# KiCad board panel.kicad_pcb (continued)
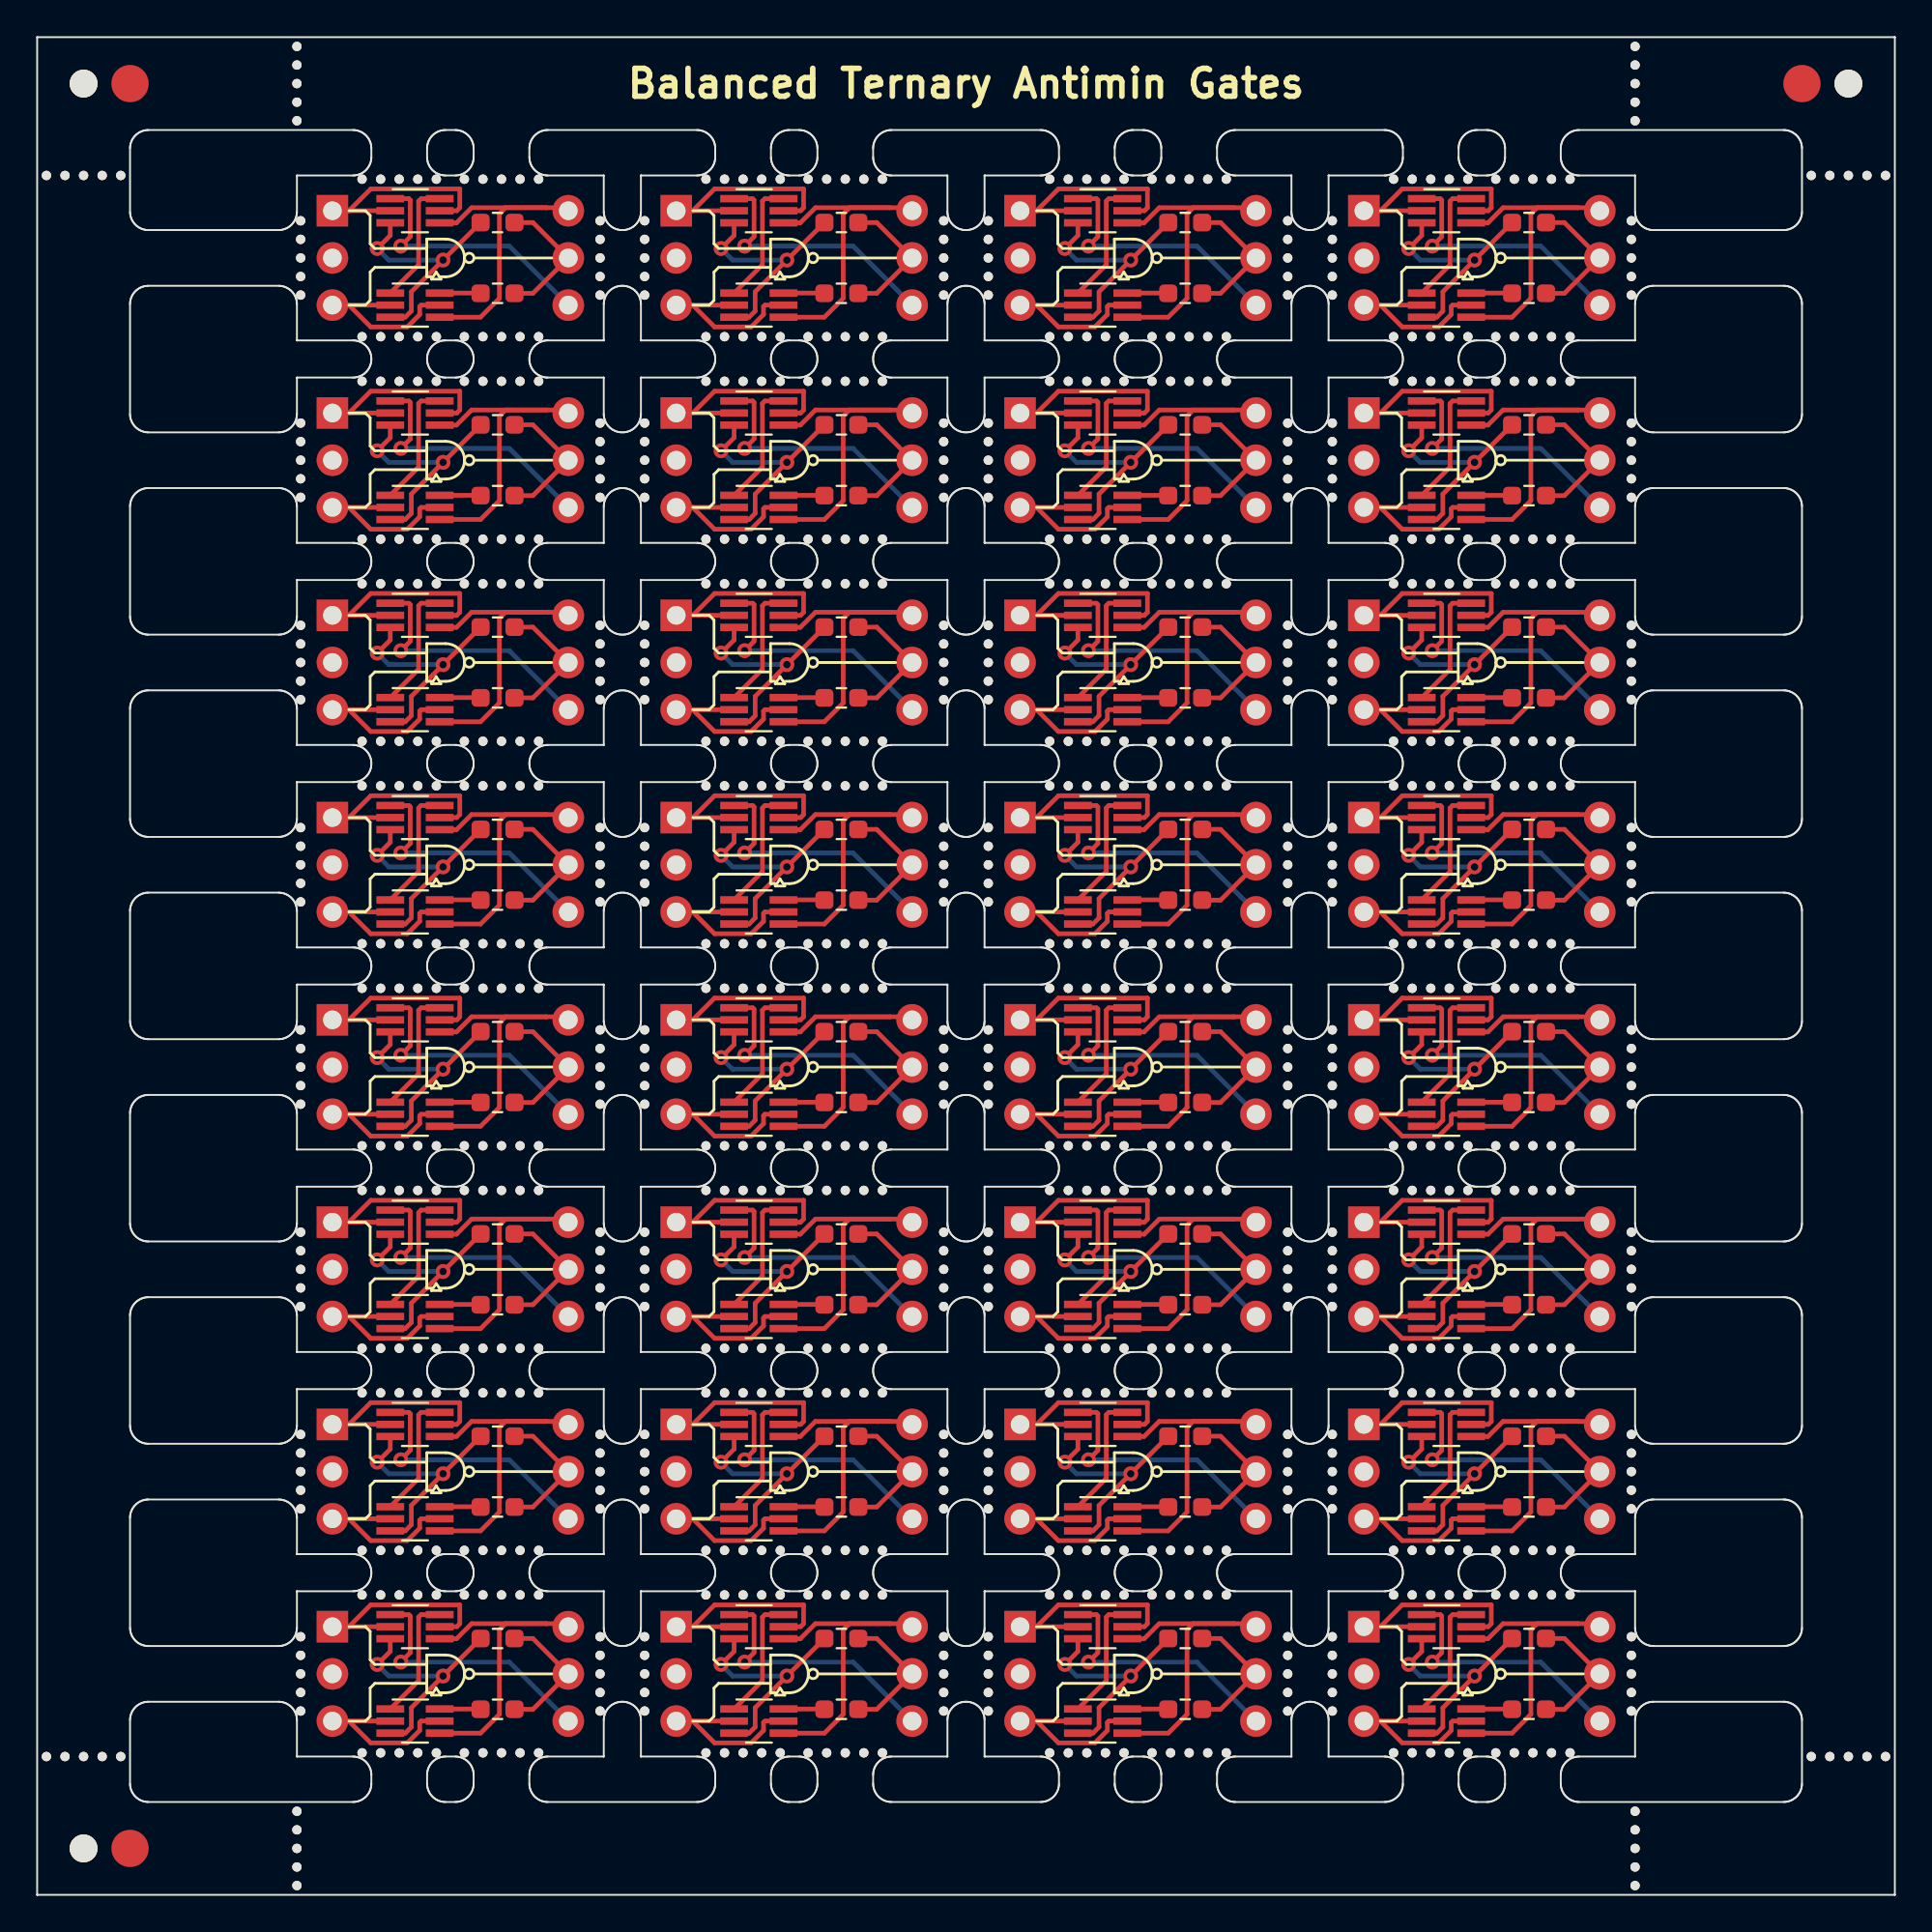
[diagram p0: board, top side]
## Routing (per net, layer and track width the routed paths; a pad name or vN(x,y) marks a point on that pad's centre or on a via; arc(x,y) is an arc through that point) (continued)
Board_30-B: length 11.7
  Top w0.25: 53.8,14.44 Q2#20.2 ; 53.8,14.44 54.98,15.61 59.77,15.61 59.77,15.6 59.77,14.6 59.61,14.44 Q2#20.5 ; 53.8,14.44 J1#6.1
Board_30-Net-(Q1-Pad1): length 6.8
  Top w0.25: Q1#27.1 57.55,11.53 57.55,14.95 57.69,15.09 Q2#20.6
Board_30-Net-(Q1-Pad3): length 13.1
  Top w0.25: v1(55.33,12.4) 56.03,13.11 Q2#20.3 ; Q1#27.3 56.84,8.71 57.17,9.04 57.17,10.07 R1#28.1
  Bottom w0.25: v1(55.33,12.4) 55.95,11.78 v1(58.87,11.78)
Board_30-Net-(Q1-Pad6): length 2.2
  Top w0.25: Q1#27.6 60.88,10.01 R2#5.2
Board_30-Out: length 7.4
  Top w0.25: R2#5.1 63.71,9.99 J2#7.2 63.71,13.8 R1#28.2
Board_30-VDD: length 18.2
  Top w0.25: Q1#27.4 60.89,8.71 61.91,9.72 61.91,14.27 62.23,14.6 64.43,14.6 ; 64.43,14.6 65.45,14.6 J2#7.1 ; 64.43,14.6 60.41,14.6 59.59,13.79 Q2#20.4
Board_30-VSS: length 14.1
  Top w0.25: v1(56.6,12.53) 57.11,13.04 57.11,15.01 57.03,15.09 Q2#20.1
  Bottom w0.25: J2#7.3 62.44,12.53 v1(56.6,12.53)
Board_31-A: length 9.2
  Top w0.25: 72.31,9.36 J1#20.3 ; 72.31,9.36 Q1#4.2 ; 72.31,9.36 73.49,8.18 75.46,8.18 76.12,8.85 76.12,9.28 76.2,9.36 Q1#4.5
Board_31-B: length 11.7
  Top w0.25: Q2#22.5 78.12,14.44 78.28,14.6 78.28,15.6 78.28,15.61 73.49,15.61 72.31,14.44 ; 72.31,14.44 J1#20.1 ; 72.31,14.44 Q2#22.2
Board_31-Net-(Q1-Pad1): length 6.8
  Top w0.25: Q2#22.6 76.2,15.09 76.06,14.95 76.06,11.53 Q1#4.1
Board_31-Net-(Q1-Pad3): length 13.1
  Top w0.25: Q2#22.3 74.54,13.11 v1(73.84,12.4) ; Q1#4.3 75.35,8.71 75.68,9.04 75.68,10.07 R1#11.1
  Bottom w0.25: v1(73.84,12.4) 74.46,11.78 v1(77.38,11.78)
Board_31-Net-(Q1-Pad6): length 2.2
  Top w0.25: Q1#4.6 79.39,10.01 R2#31.2
Board_31-Out: length 7.4
  Top w0.25: R1#11.2 82.22,13.8 J2#22.2 82.22,9.99 R2#31.1
Board_31-VDD: length 18.2
  Top w0.25: J2#22.1 83.96,14.6 82.94,14.6 ; Q2#22.4 78.1,13.79 78.92,14.6 82.94,14.6 ; Q1#4.4 79.4,8.71 80.42,9.72 80.42,14.27 80.74,14.6 82.94,14.6
Board_31-VSS: length 14.1
  Top w0.25: Q2#22.1 75.54,15.09 75.61,15.01 75.61,13.04 v1(75.11,12.53)
  Bottom w0.25: v1(75.11,12.53) 80.95,12.53 J2#22.3

## Text on the board
B.Silkscreen: B | A
F.Silkscreen: Balanced Ternary Antimin Gates
